# Altium PCB ZCTX-31main190715 - 副本.PcbDoc
Units mm, origin at the board's own origin, x right, y up, seen from the top; angles counter-clockwise.
Board outline 92.8 x 150 mm, 4 copper layers (Top Layer, GND, POWER, Bottom Layer); 109 components, 92 nets, 480 pads, 429 vias.
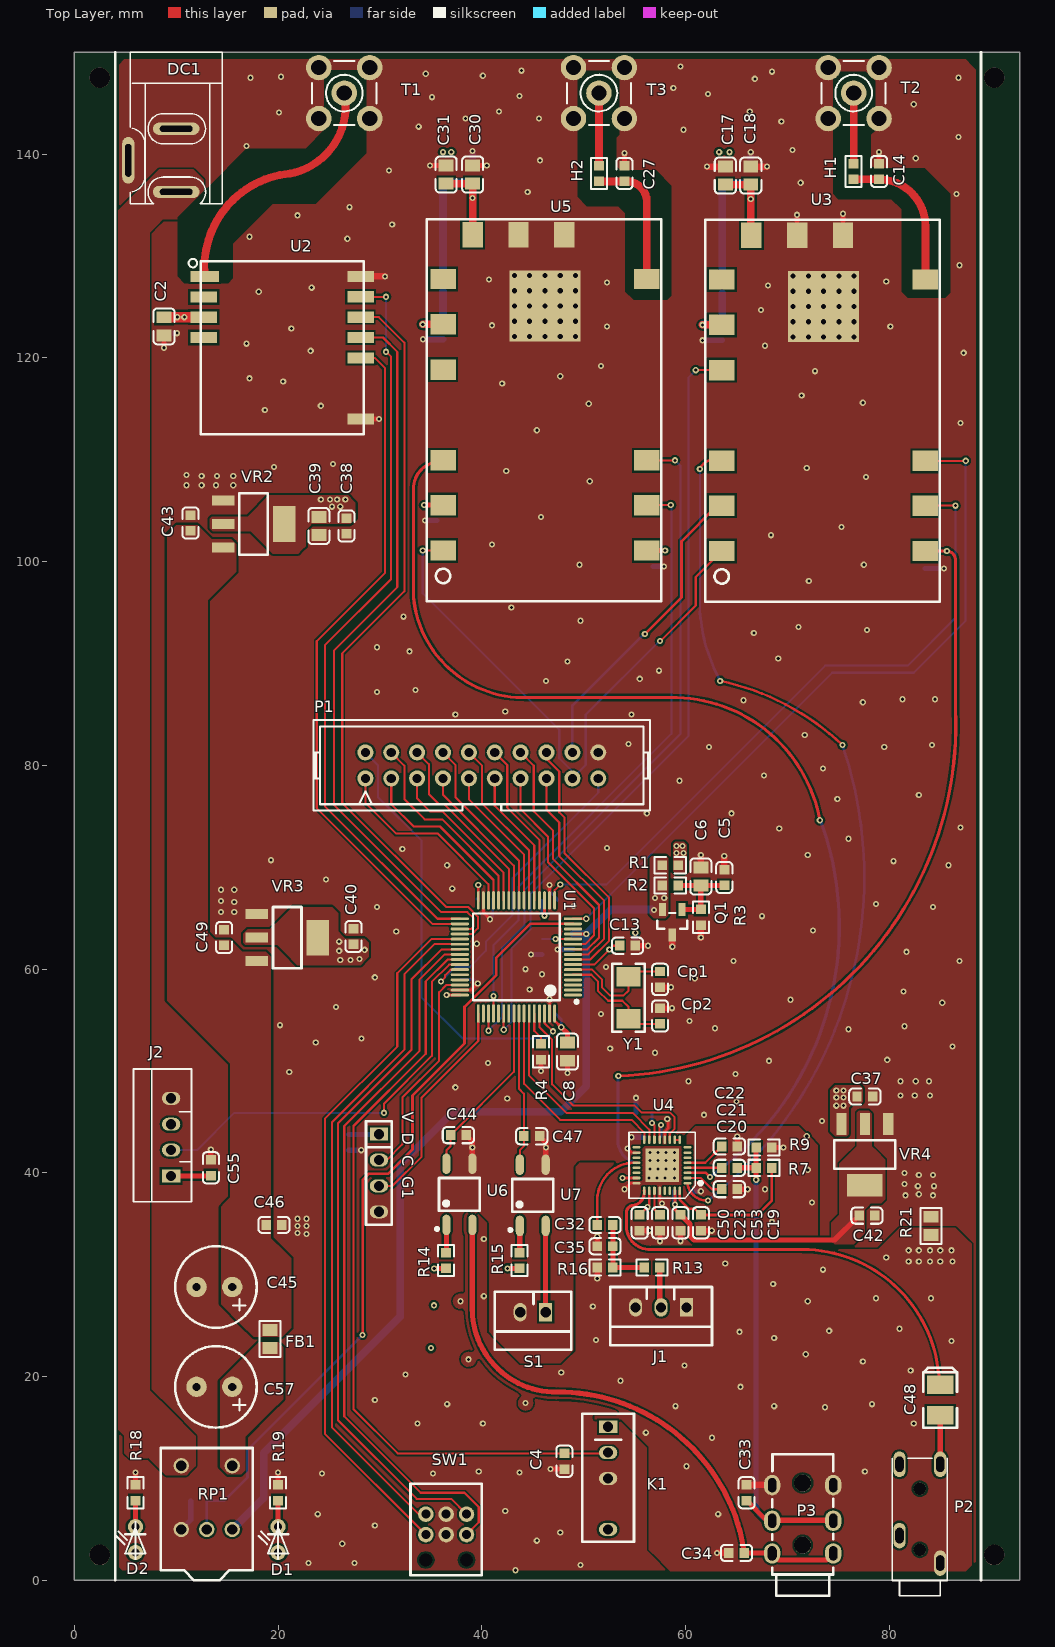
[diagram p0: Top Layer view]
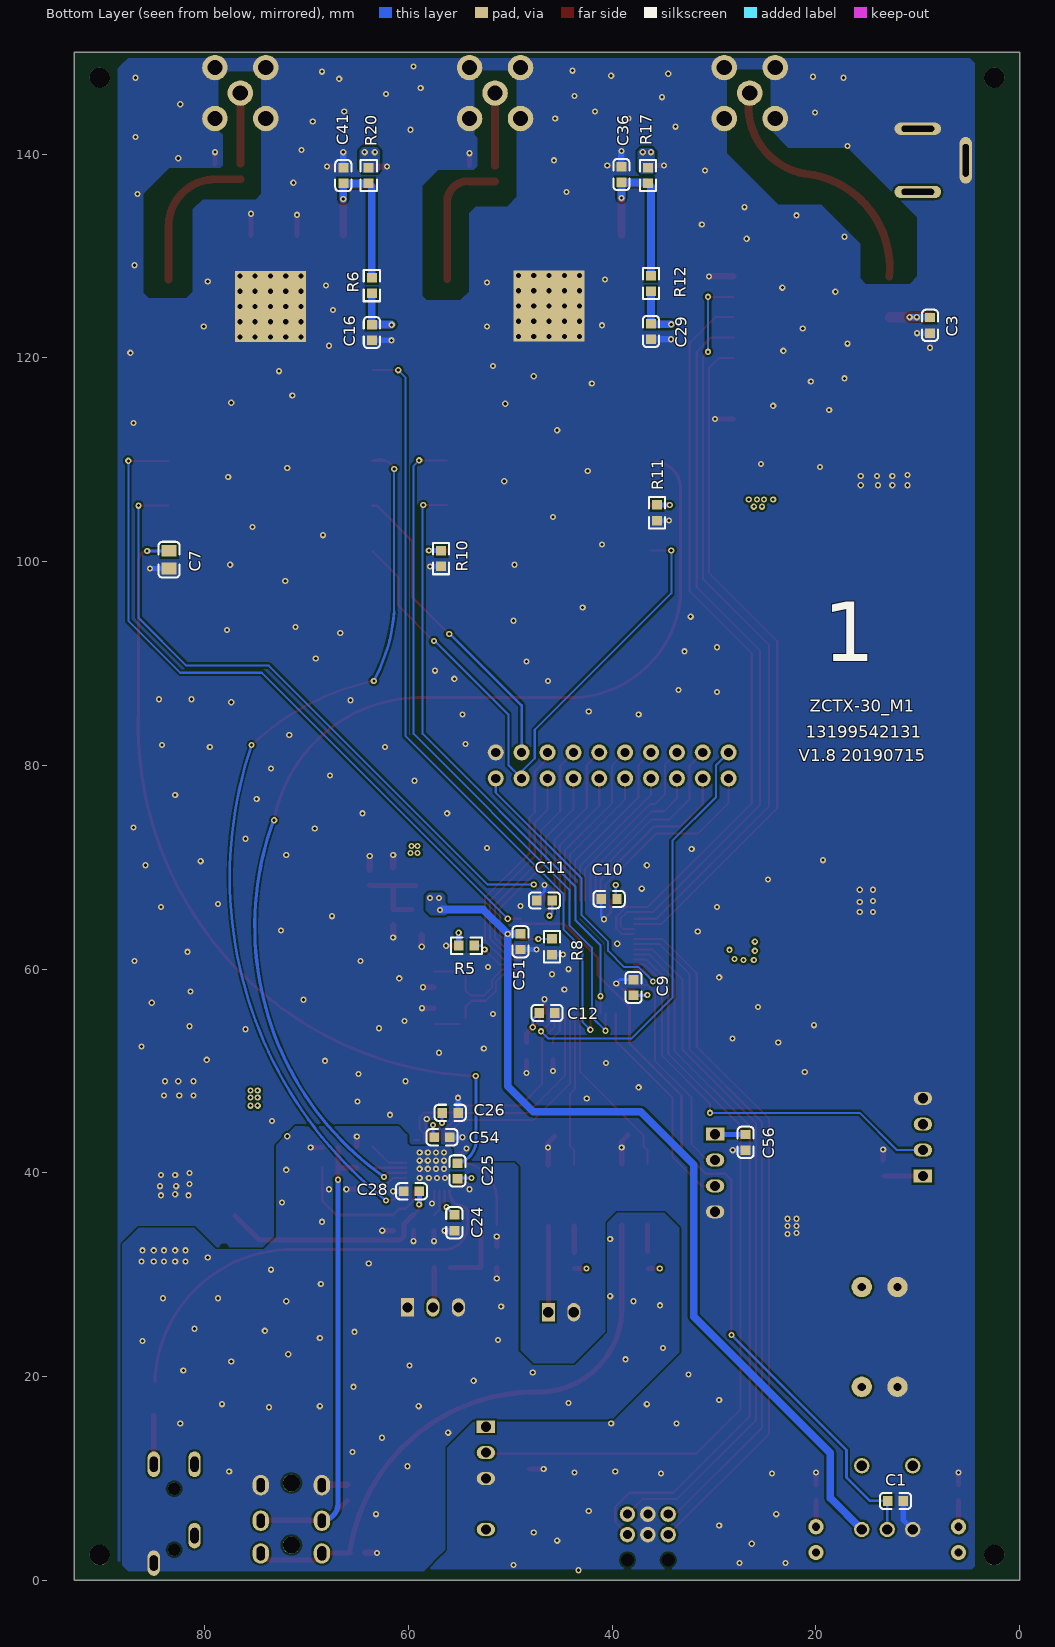
[diagram p1: Bottom Layer view, seen from below]
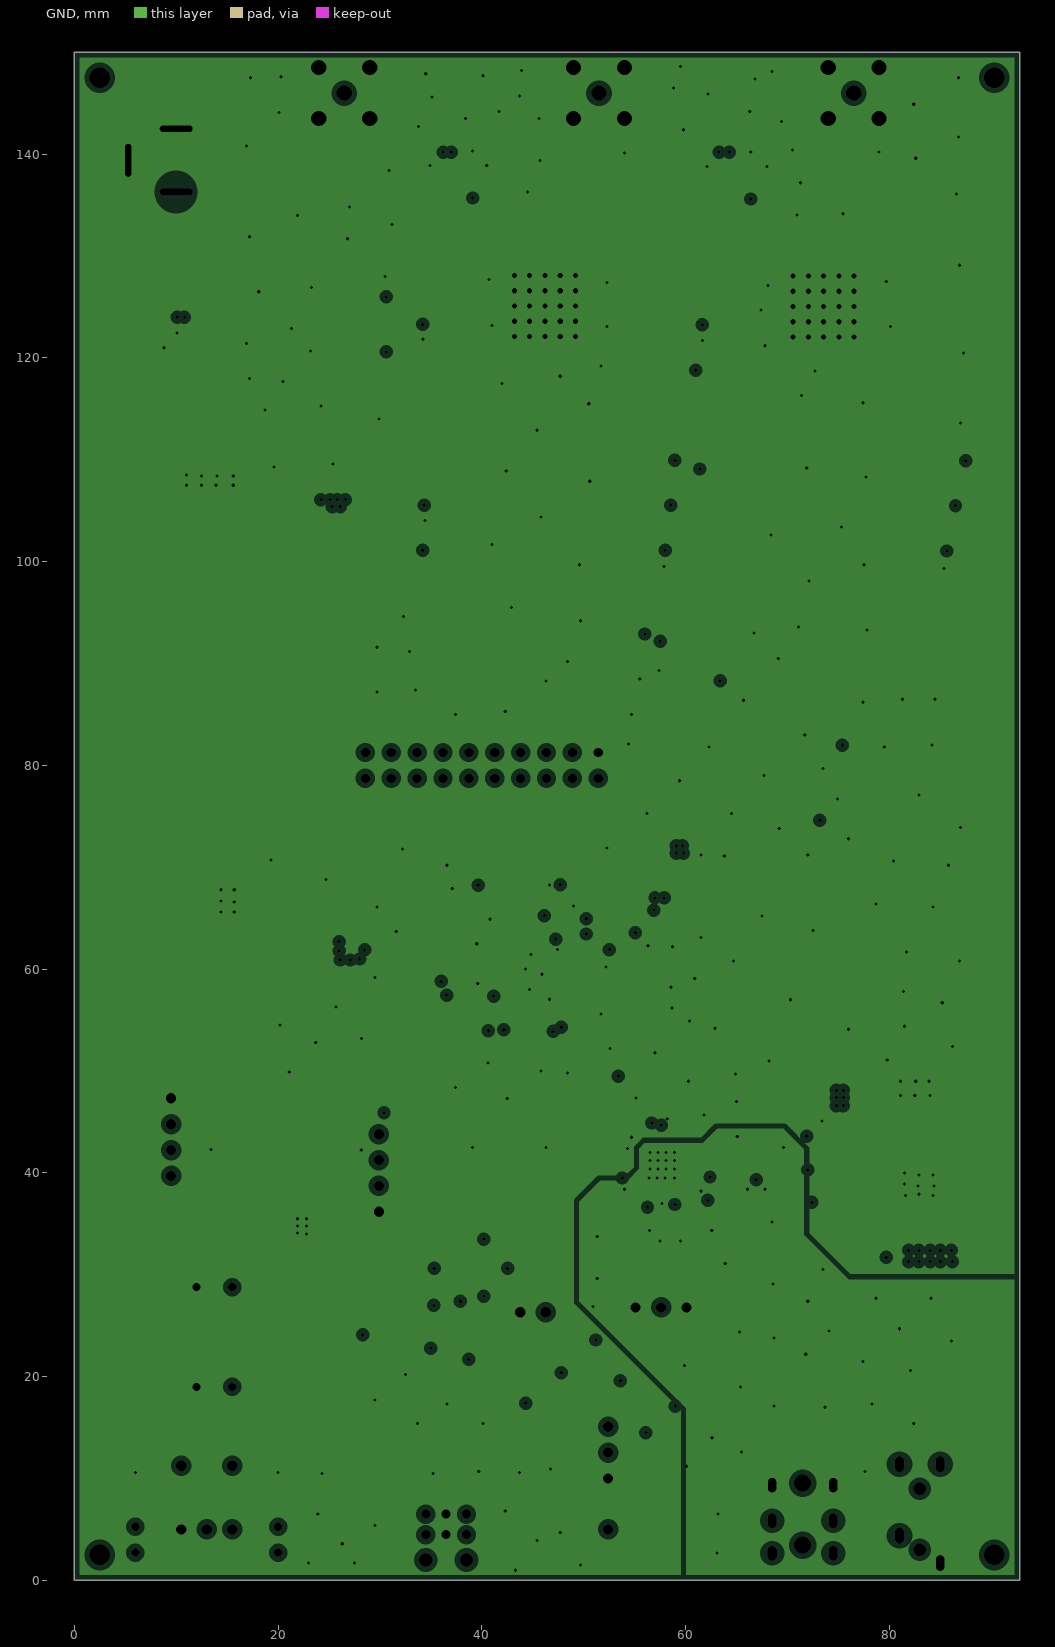
[diagram p2: GND, clearances drawn from the general rule]
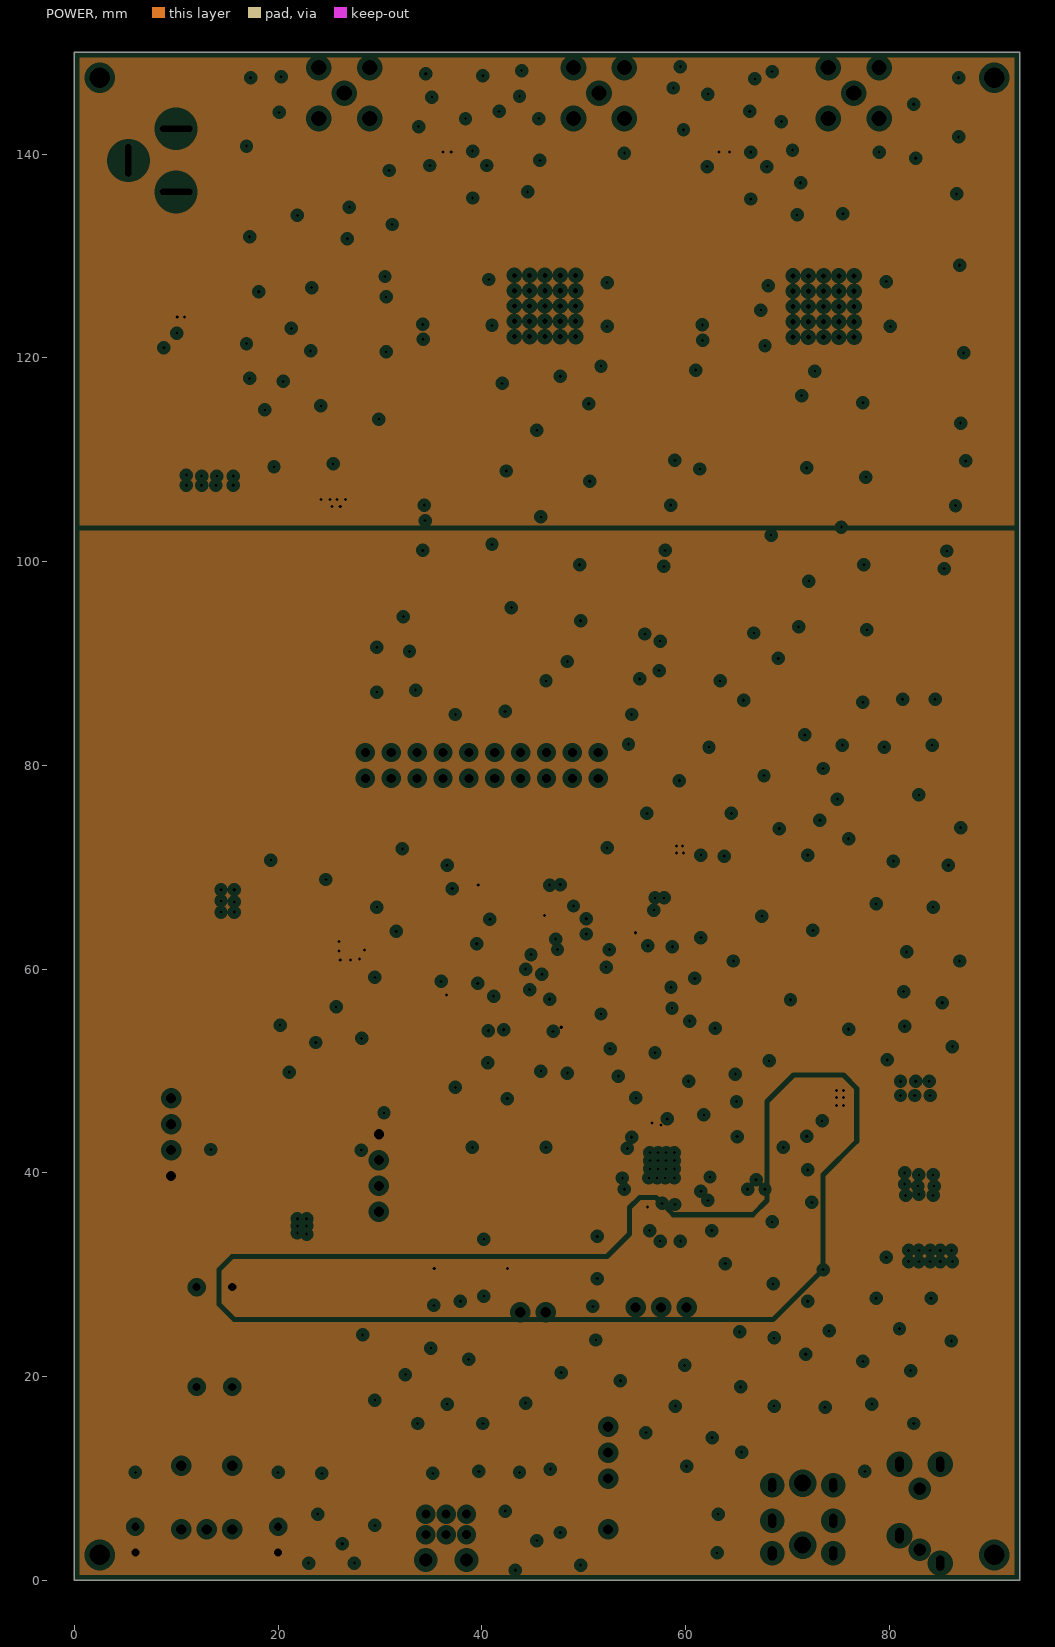
[diagram p3: POWER, clearances drawn from the general rule]
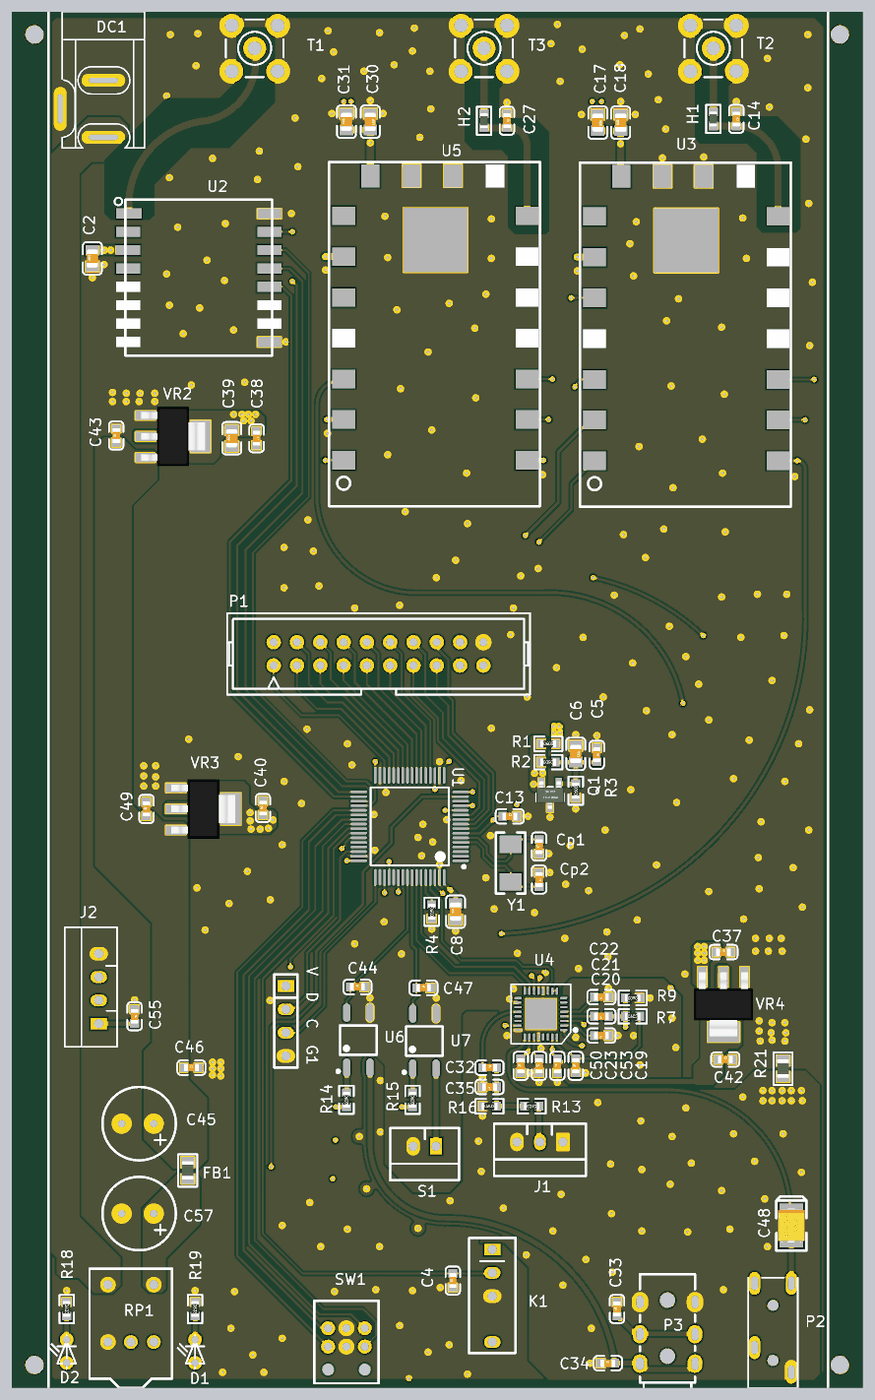
[diagram p4: 3D render of the assembled board from above, using the file's embedded part models]
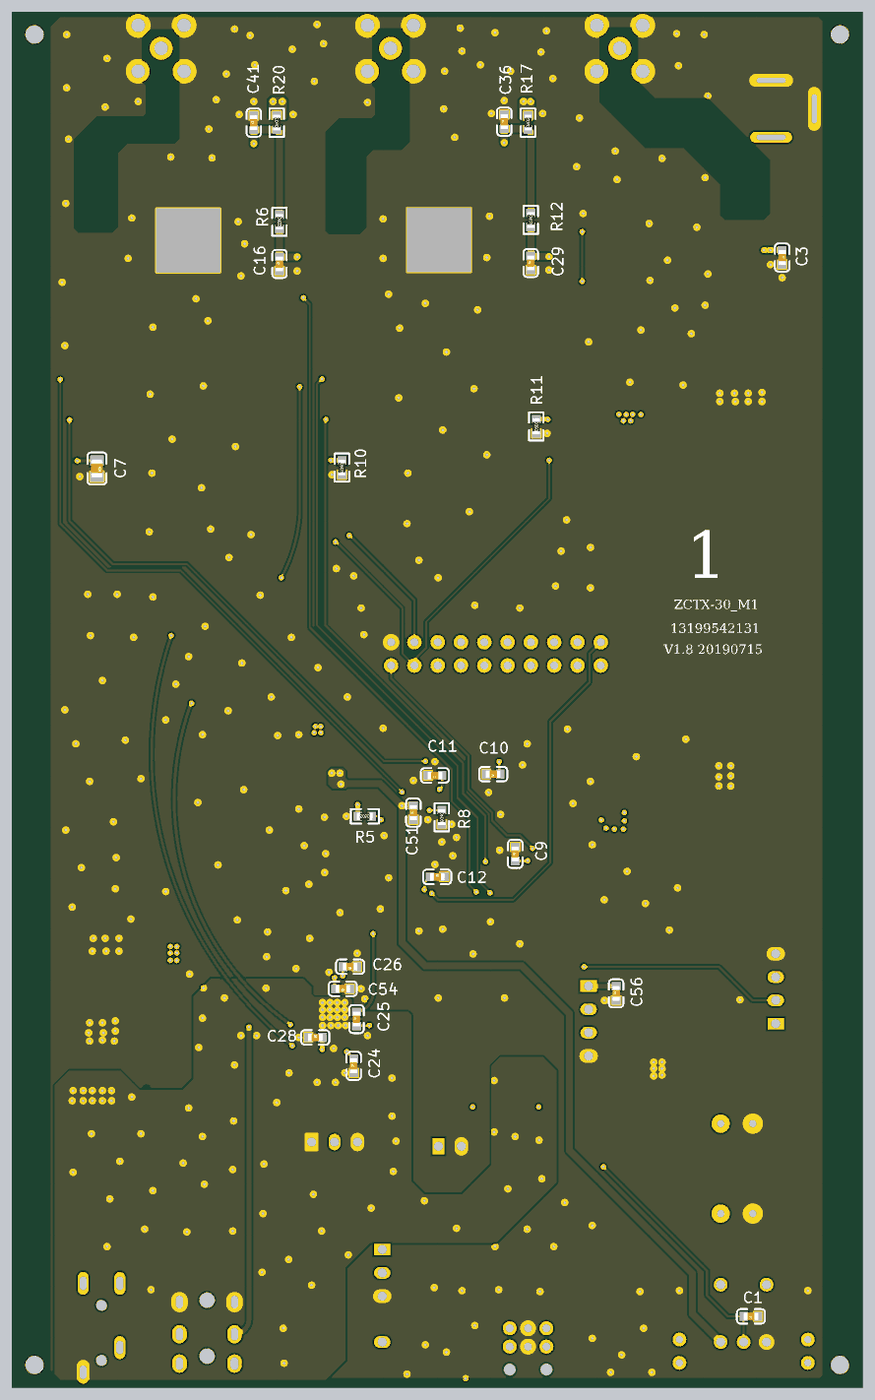
[diagram p5: 3D render of the assembled board from below, using the file's embedded part models]

## Layer stack, top to bottom
Top Layer: signal copper 0.0356
Dielectric: core 0.32, FR-4, Dk 4.8
GND: plane copper 0.0356, net (Multiple Nets)
Dielectric: prepreg 0.32, FR-4, Dk 4.8
POWER: plane copper 0.0356, net (Multiple Nets)
Dielectric: core 0.32, FR-4, Dk 4.8
Bottom Layer: signal copper 0.0356

## Board outline
0,0 92.8,0 92.8,150 0,150

## Design rules (kind name [scope] priority, off if disabled: settings)
Clearance [All] p1: gap=0.203
FabricationTestpoint [(IsPad And (OnTopLayer Or OnBottomLayer))] p1: side=3 testpointundercomponent=TRUE minsize=1.016 maxsize=2.54 preferedsize=1.524 minholesize=0 maxholesize=1.016 preferedholesize=0.813 testpointgrid=0.025 allowsidetop=TRUE allowsidebottom=TRUE usegrid=TRUE gridtolerance=0
HoleSize [All] p1: absolutevalues=TRUE maxlimit=10 minlimit=0.025 maxpercent=80.000 minpercent=20.000
PlaneClearance [All] p1: clearance=0.508
PlaneConnect [All] p1: planeconnectstyle=Direct reliefexpansion=0.508 reliefentries=4 reliefconductorwidth=0.5 reliefairgap=0.254
PolygonConnect [All] p1: connectstyle=Direct reliefconductorwidth=0.254 reliefentries=4 polygonreliefangle="90 Angle" airgapwidth=0.254
RoutingVias [All] p1: holewidth=0.305 width=0.61 viastyle="Through Hole" minholewidth=0.305 minwidth=0.61 maxholewidth=0.305 maxwidth=0.61
SolderMaskExpansion [All] p1: expansion=0.1
Width [All] p1: maxlimit=2.54 minlimit=0.203 preferedwidth=0.203 minimp=50.000000 maximp=50.000000 favimp=50.000000
24 further rules are at their usual default settings.

## Components (designator, comment, footprint, x,y, rotation, side; value= is the part's Value field where it differs from the comment)
C1 "100nF (104) 10% 50V" 0603_C 12.2,7.8 r0 bottom
C2 "10uF (106) 10% 25V" 0805_C 8.8,123.1 r90 top
C3 "100nF (104) 10% 50V" 0603_C 8.8,123.2 r270 bottom
C4 "100nF (104) 10% 50V" 0603_C 48.1,11.7 r90 top
C5 "100nF (104) 10% 50V" 0603_C 63.8,69 r270 top
C6 "10uF (106) 10% 25V" 0805_C 61.5,69.1 r270 top
C7 "100nF (104) 10% 50V" LC-0805_C 83.5,100.2 r270 bottom
C8 "10uF (106) 10% 25V" 0805_C 48.4,51.9 r90 top
C9 "100nF (104) 10% 50V" 0603_C 37.9,58.2 r90 bottom
C10 "100nF (104) 10% 50V" 0603_C 40.3,66.9 r0 bottom
C11 "100nF (104) 10% 50V" 0603_C 46.65,66.75 r0 bottom
C12 "100nF (104) 10% 50V" 0603_C 46.4,55.7 r180 bottom
C13 "1uF (105) 10% 50V" 0603_C 54.3,62.3 r0 top
C14 "2.0pF (020) 0.25pF 50V" 0603_C 79,138.3 r270 top
C16 "100nF (104) 10% 50V" 0603_C 63.6,122.5 r90 bottom
C17 "10uF (106) 10% 25V" 0805_C 63.9,137.9 r270 top
C18 "100nF(104) 10% 50V" 0805_C 66.4,137.9 r90 top
C19 "4.7uF (475) 10% 16V" 0603_C 61.5,35.1 r90 top
C20 "1uF (105) 10% 50V" 0603_C 64.3,38.4 r180 top
C21 "1uF (105) 10% 50V" 0603_C 64.3,40.5 r180 top
C22 "1uF (105) 10% 50V" 0603_C 64.3,42.6 r180 top
C23 "4.7uF (475) 10% 16V" 0603_C 57.5,35.1 r90 top
C24 "100nF (104) 10% 50V" 0603_C 55.5,35.1 r90 bottom
C25 "10uF (106) 10% 10V" 0603_C 55.2,40.2 r90 bottom
C26 "100nF (104) 10% 50V" 0603_C 55.9,45.9 r0 bottom
C27 "2.0pF (020) 0.25pF 50V" 0603_C 54,138.1 r270 top
C28 "10uF (106) 10% 10V" 0603_C 59.7,38.2 r180 bottom
C29 "100nF (104) 10% 50V" 0603_C 36.2,122.6 r90 bottom
C30 "10uF (106) 10% 25V" 0805_C 39.1,138 r270 top
C31 "100nF(104) 10% 50V" 0805_C 36.5,138 r90 top
C32 "1uF (105) 10% 50V" 0603_C 52.1,34.9 r0 top
C33 "220pF (221) 10% 50V" 0603_C 66,8.6 r90 top
C34 "100nF (104) 10% 50V" 0603_C 65,2.7 r0 top
C35 "10nF (103) 10% 50V" 0603_C 52.1,32.8 r180 top
C36 "100nF (104) 10% 50V" 0603_C 39.1,138 r90 bottom
C37 "100nF (104) 10% 50V" 0603_C 77.6,47.5 r0 top
C38 "100nF (104) 10% 50V" 0603_C 26.7,103.5 r270 top
C39 "10uF (106) 10% 25V" 0805_C 24,103.5 r90 top
C40 "100nF (104) 10% 50V" 0603_C 27.4,63.2 r90 top
C41 "100nF (104) 10% 50V" 0603_C 66.4,137.9 r90 bottom
C42 "100nF (104) 10% 50V" 0603_C 77.8,35.8 r0 top
C43 "100nF (104) 10% 50V" 0603_C 11.4,103.8 r90 top
C44 "100nF (104) 10% 50V" 0603_C 37.7,43.7 r0 top
C45 "6.3V1000uF" C0.8 16.5,28.8 r180 top
C46 "100nF (104) 10% 50V" 0603_C 19.6,34.9 r0 top
C47 "100nF (104) 10% 50V" 0603_C 44.9,43.6 r0 top
C48 "100uF (107) ±10% 6.3V" CASE-B_3528 85,17.7 r90 top
C49 "100nF (104) 10% 50V" 0603_C 14.7,63.1 r90 top
C50 "10uF (106) 10% 10V" 0603_C 55.5,35.1 r90 top
C51 "100nF (104) 10% 50V" 0603_C 49,62.7 r90 bottom
C53 "100nF (104) 10% 50V" 0603_C 59.5,35.1 r90 top
C54 "100nF (104) 10% 50V" 0603_C 56.7,43.5 r0 bottom
C55 "100nF (104) 10% 50V" 0603_C 13.4,40.5 r270 top
C56 "100nF (104) 10% 50V" 0603_C 26.9,43 r90 bottom
C57 "6.3V1000uF" C0.8 16.5,19 r180 top
Cp1 "20pF (200) 5% 50V" 0603_C 57.5,59 r90 top
Cp2 "20pF (200) 5% 50V" 0603_C 57.5,55.4 r270 top
D1 "LED1" LED 20,4 r90 top locked
D2 "LED1" LED 6,4 r90 top locked
DC1 "DC-10B" DC10B 5.5,150 r270 top locked
FB1 "600Ω ±25% 100MHz" 0805_L 19.2,23.7 r90 top
H1 "15nH ±5%" 0603_L 76.5,138.3 r90 top
H2 "15nH ±5%" 0603_L 51.5,138.1 r90 top
J1 "SIP3" XH-3 60.1,26.8 r180 top
J2 "SIP4" XH2.54-4P 9.5,39.7 r90 top locked
K1 "KAGUAN" RS-8A 52.4,10 r270 top locked
P1 "Header 10X2" JTAG_20 40,80 r0 top locked
P2 "PHONE4" PHONE4 83,0 r90 top locked
P3 "PHONE3.5" PHONE_ST 71.5,6 r270 top locked
Q1 "CJ431 0.5%431" SOT-23(SOT-23-3) 58.7,64.6 r90 top
R1 "100Ω (1000) ±1%" 0603_R 58.5,70.2 r0 top
R2 "2KΩ (2001) ±1%" 0603_R 58.5,68.2 r180 top
R3 "10KΩ (1002) ±1%" 0603_R 61.5,65.1 r90 top
R4 "4.7KΩ (4701) ±1%" 0603_R 45.8,51.9 r270 top
R5 "4.7KΩ (4701) ±1%" 0603_R 54.3,62.3 r0 bottom
R6 "4.7KΩ (4701) ±1%" 0603_R 63.6,127.1 r270 bottom
R7 "680Ω (6800) ±1%" 0603_R 67.7,40.5 r0 top
R8 "0Ω (0R0) ±1%" 0603_R 45.9,62.2 r270 bottom
R9 "47KΩ (4702) ±1%" 0603_R 67.7,42.5 r180 top
R10 "10Ω (10R0) ±1%" 0603_R 56.8,100.3 r270 bottom
R11 "10KΩ (1002) ±1%" 0603_R 35.6,104.8 r90 bottom
R12 "4.7KΩ (4701) ±1%" 0603_R 36.2,127.3 r270 bottom
R13 "10KΩ (1002) ±1%" 0603_R 56.7,30.7 r180 top
R14 "1KΩ (1001) ±1%" 0603_R 36.5,31.4 r270 top
R15 "1KΩ (1001) ±1%" 0603_R 43.7,31.4 r270 top
R16 "2.2KΩ (2201) ±1%" 0603_R 52.1,30.7 r0 top
R17 "0Ω (0R0) ±1%" 0603_R 36.5,137.9 r90 bottom
R18 "1KΩ (1001) ±1%" 0603_R 6,8.6 r270 top
R19 "1KΩ (1001) ±1%" 0603_R 20,8.6 r270 top
R20 "0Ω (0R0) ±1%" 0603_R 63.9,137.9 r90 bottom
R21 "600Ω ±25% 100MHz" 0805_L 84.1,34.8 r270 top
RP1 "RV097NS" RV097NS 13,5 r0 top locked
S1 "SIP2" XH-2 46.27,26.33 r180 top
SW1 "SIP6" XD_KG 36.5,4.5 r0 top locked
T1 "SIP2" SMB_V-RJ45 26.5,146 r0 top locked
T2 "SIP2" SMB_V-RJ45 76.5,146 r0 top locked
T3 "SIP2" SMB_V-RJ45 51.5,146 r0 top locked
U1 "STM32F103RBT6" LQFP-64_10x10x05P 43.4,61.2 r90 top
U2 "Ra-01 Module" "Ra-01 Module" 20.4,121 r0 top
U3 "SR_FRS_1WV" SR_FRS_1W 63.55,101.05 r0 top
U4 "WM8978" QNF32 60.2,39 r180 top
U5 "SR_FRS_1WV" SR_FRS_1W 36.2,101.1 r0 top
U6 "EL357N(B)(TA)-G" SOP-4_P2.54 37.8,37.9 r90 top
U7 "EL357N(B)(TA)-G" SOP-4_P2.54 45,37.8 r90 top
"V  D  C  G1" "SIP4" SIP4 29.9,43.8 r270 top
VR2 "AMS1117-3.3" SOT-223 17.6,103.7 r180 top
VR3 "AMS1117-3.3" SOT-223 20.9,63.1 r180 top
VR4 "AMS1117-3.3" SOT-223 77.6,41.8 r90 top
Y1 "8MHz ±20ppm 20pF" SMD-5032_2P 54.4,57.2 r270 top

## Footprints (in the part's own frame and the unit in brackets; to place one, negate y for a bottom-side part, rotate by r counter-clockwise, add the part's x,y. Pads: shape width x height; smd on the part's side, far side on the other; paste and mask are expansions set on the pad)
0603_C [mm]
  rect 0.93x0.98 smd: 1(-0.77,0) 2(0.77,0)
  silkscreen extent -1.53,-0.79 1.54,0.79, body extent -0.8,-0.4 0.8,0.4, height 0.3
0603_L [mm]
  rect 0.93x0.98 smd: 1(-0.77,0) 2(0.77,0)
  silkscreen extent -1.53,-0.79 1.54,0.79, body extent -0.82,-0.41 0.82,0.41, height 0.46
0603_R [mm]
  rect 0.93x0.98 smd: 1(-0.77,0) 2(0.77,0)
  silkscreen extent -1.53,-0.79 1.54,0.79, body extent -0.85,-0.4 0.85,0.4, height 0.56
0805_C [mm]
  rect 1.16x1.47 smd: 1(-0.89,0) 2(0.89,0)
  silkscreen extent -1.77,-1.04 1.77,1.04, body extent -1,-0.63 1,0.63, height 0.77
0805_L [mm]
  rect 1.16x1.47 smd: 1(-0.89,0) 2(0.89,0)
  silkscreen extent -1.77,-1.04 1.77,1.03, body extent -1,-0.64 1,0.64, height 0.6
C0.8 [mm]
  round 2 hole 0.8: 1(1,0) 2(4.5,0)
  silkscreen extent -1.4,-4 6.6,4
CASE-B_3528 [mm]
  rect 1.8x2.6 smd: 1(1.5,0) 2(-1.5,0)
  silkscreen extent -2.73,-1.65 3.16,1.65, body extent -1.85,-1.47 1.85,1.46, height 2.03
DC10B [mm]
  oval 1.2x4.572 hole 0.6 slot 3.2 at 90 deg: 1(13.7,4.5) 2(7.5,4.5)
  oval 4.572x1.2 hole 0.6 slot 3.2 at 0 deg: 3(10.6,-0.2)
  silkscreen extent 0,0 14.87,9
JTAG_20 [mil]
  round 62 hole 35: 1(-450,-50) 2(-450,50) 3(-350,-50) 4(-350,50) 5(-250,-50) 6(-250,50) 7(-150,-50) 8(-150,50) 9(-50,-50) 10(-50,50) 11(50,-50) 12(50,50) 13(150,-50) 14(150,50) 15(250,-50) 16(250,50) 17(350,-50) 18(350,50) 19(450,-50) 20(450,50)
  silkscreen extent -650,-175 650,175
LC-0805_C [mm]
  rect 1.16x1.47 smd: 1(-0.875,0) 2(0.875,0)
  silkscreen extent -1.76,-1.04 1.76,1.04, body extent -1,-0.63 1,0.63, height 0.77
LED [mm]
  round 1.5 hole 0.8: 1(-1.27,0) 2(1.27,0)
  silkscreen extent -1.88,-1 1.71,1.9
LQFP-64_10x10x05P [mm]
  oval 0.28x1.8 smd mask+0.051: 1(-3.75,-5.55) 2(-3.25,-5.55) 3(-2.75,-5.55) 4(-2.25,-5.55) 5(-1.75,-5.55) 6(-1.25,-5.55) 7(-0.75,-5.55) 8(-0.25,-5.55) 9(0.25,-5.55) 10(0.75,-5.55) 11(1.25,-5.55) 12(1.75,-5.55) 13(2.25,-5.55) 14(2.75,-5.55) 15(3.25,-5.55) 16(3.75,-5.55) 33(3.75,5.55) 34(3.25,5.55) 35(2.75,5.55) 36(2.25,5.55) 37(1.75,5.55) 38(1.25,5.55) 39(0.75,5.55) 40(0.25,5.55) 41(-0.25,5.55) 42(-0.75,5.55) 43(-1.25,5.55) 44(-1.75,5.55) 45(-2.25,5.55) 46(-2.75,5.55) 47(-3.25,5.55) 48(-3.75,5.55)
  oval 1.8x0.28 smd mask+0.051: 17(5.55,-3.75) 18(5.55,-3.25) 19(5.55,-2.75) 20(5.55,-2.25) 21(5.55,-1.75) 22(5.55,-1.25) 23(5.55,-0.75) 24(5.55,-0.25) 25(5.55,0.25) 26(5.55,0.75) 27(5.55,1.25) 28(5.55,1.75) 29(5.55,2.25) 30(5.55,2.75) 31(5.55,3.25) 32(5.55,3.75) 49(-5.55,3.75) 50(-5.55,3.25) 51(-5.55,2.75) 52(-5.55,2.25) 53(-5.55,1.75) 54(-5.55,1.25) 55(-5.55,0.75) 56(-5.55,0.25) 57(-5.55,-0.25) 58(-5.55,-0.75) 59(-5.55,-1.25) 60(-5.55,-1.75) 61(-5.55,-2.25) 62(-5.55,-2.75) 63(-5.55,-3.25) 64(-5.55,-3.75)
  silkscreen extent -4.55,-6.05 4.25,4.25
PHONE4 [mm]
  round 1.2 hole 1.2: 0(3,0) 0(9,0)
  oval 2.5x1.2 hole 0.8 slot 1.5 at 0 deg: 2(1.7,-2) 3(4.4,2) 4(11.4,-2) 5(11.4,2)
  silkscreen extent -1.5,-2.7 12,2.7
PHONE_ST [mm]
  round 1.676 hole 1.676: 0(-3.556,0) 0(2.54,0)
  oval 2x1.6 hole 0.8 slot 1.4 at 0 deg: 1(-3.35,3) 1(-3.35,-3) 2(0.15,3) 2(0.15,-3) 3(3.35,3)
  oval 2x1.6 hole 0.87 slot 1.4 at 0 deg: 3(3.35,-3)
  silkscreen extent -6.39,-3.01 7.49,3
QNF32 [mm]
  oct 0.8x0.25 smd: 1(0,0) 2(0,-0.5) 3(0,-1) 4(0,-1.5) 5(0,-2) 6(0,-2.5) 7(0,-3) 8(0,-3.5) 17(5,-3.5) 18(5,-3) 19(5,-2.5) 20(5,-2) 21(5,-1.5) 22(5,-1) 23(5,-0.5) 24(5,0)
  oct 0.25x0.8 smd: 9(0.75,-4.25) 10(1.25,-4.25) 11(1.75,-4.25) 12(2.25,-4.25) 13(2.75,-4.25) 14(3.25,-4.25) 15(3.75,-4.25) 16(4.25,-4.25) 25(4.25,0.75) 26(3.75,0.75) 27(3.25,0.75) 28(2.75,0.75) 29(2.25,0.75) 30(1.75,0.75) 31(1.25,0.75) 32(0.75,0.75)
  rect 3.3x3.3 smd: 33(2.5,-1.75)
  silkscreen extent -1.47,-5 5.75,1.5
"Ra-01 Module" [mm]
  rect 2.8x1.1 smd: 1(-7.6,7.002)
  rect 2.6x1.1 smd: 2(-7.7,4.99) 3(-7.7,3.002) 4(-7.7,1.002) 9(7.7,-6.998) 12(7.7,-0.998) 13(7.7,1.002) 14(7.7,3.002) 15(7.7,5.002) 16(7.7,6.996)
  rect 2.6x1.1 on Top Overlay: 5(-7.7,-0.998) 6(-7.7,-2.998) 7(-7.7,-4.998) 8(-7.7,-6.998) 10(7.7,-4.998) 11(7.7,-2.998)
  silkscreen extent -9.18,-8.5 8,8.72
RS-8A [mm]
  rect 1.27x1.8 hole 1: 1(-5.08,0)
  oval 1.27x1.8 hole 1: 2(-2.54,0) 3(0,0) 5(5,0)
  silkscreen extent -6.35,-2.54 6.21,2.54
RV097NS [mm]
  round 1.5 hole 1: 1(-2.5,6.25) 2(2.5,6.25) 11(-2.5,0) 12(0,0) 13(2.5,0)
  silkscreen extent -4.5,-5 4.5,8
SIP4 [mm]
  rect 1.27x1.8 hole 1: 1(0,0)
  oval 1.27x1.8 hole 1: 2(2.54,0) 3(5.08,0) 4(7.62,0)
  silkscreen extent -1.27,-1.27 8.89,1.27
SMB_V-RJ45 [mm] "Connector; SMB Straight"
  round 2.5 hole 1.5: 1(0,0) 2(-2.5,-2.5) 2(-2.5,2.5) 2(2.5,-2.5) 2(2.5,2.5)
  silkscreen extent -3.15,-3.15 3.15,3.15
SMD-5032_2P [mm]
  rect 1.9x2.4 smd: 1(-2.05,0) 2(2.05,0)
  silkscreen extent -3.32,-1.6 3.32,1.6
SOP-4_P2.54 [mm]
  oval 2x0.8 smd: 1(-3,1.27) 2(-3,-1.27) 3(3,-1.27) 4(3,1.27)
  silkscreen extent -3.55,-2 1.6,2.35
SOT-23(SOT-23-3) [mm]
  rect 1.25x0.7 smd: 1(1.25,-0.95) 2(1.25,0.95) 3(-1.25,0)
  silkscreen extent -0.65,-1.46 0.9,1.46, body extent -1.5,-1.5 1.5,1.5, height 1.3
SOT-223 [mm]
  rect 2.2x1 smd: 1(3,-2.3) 2(3,0) 3(3,2.3)
  rect 2.2x3.5 smd: 2(-3,0)
  silkscreen extent -1.4,-3 1.4,3, body extent -3.49,-3.24 3.49,3.24, height 1.64
SR_FRS_1W [mm]
  rect 2.5x2 smd: 1(0,0) 2(0,4.45) 3(0,8.85) 5(0,17.75) 6(0,22.2) 7(0,26.65) 12(20,26.65) 16(20,8.85) 17(20,4.45) 18(20,0)
  rect 2.5x2 on Top Overlay: 4(0,13.3) 13(20,22.2) 14(20,17.75) 15(20,13.3)
  rect 2x2.5 smd: 8(2.9,31) 9(7.4,31) 10(11.9,31)
  round 1 hole 0.5: 9(7,21) 9(7,22.5) 9(7,24) 9(7,25.5) 9(7,27) 9(8.5,21) 9(8.5,22.5) 9(8.5,24) 9(8.5,25.5) 9(8.5,27) 9(10,21) 9(10,22.5) 9(10,24) 9(10,25.5) 9(10,27) 9(11.5,21) 9(11.5,22.5) 9(11.5,24) 9(11.5,25.5) 9(11.5,27) 9(13,21) 9(13,22.5) 9(13,24) 9(13,25.5) 9(13,27)
  rect 7x7 smd: 9(10,24.003)
  rect 7x7 smd far side: 9(10,24.003)
  rect 2x2.5 on Top Overlay: 11(16.5,31)
  silkscreen extent -1.6,-5 21.4,32.5